# Altium PCB as_x31.PcbDoc (part 8 of 8)
Units mm, origin at the board's own origin, x right, y up, seen from the top; angles counter-clockwise.
Board outline 130 x 100 mm, 6 copper layers (Top Layer, Ground_1, int_1, int_2, Power, Bottom Layer), stack 1.49 mm thick; 424 components, 381 nets, 2569 pads, 1355 vias.
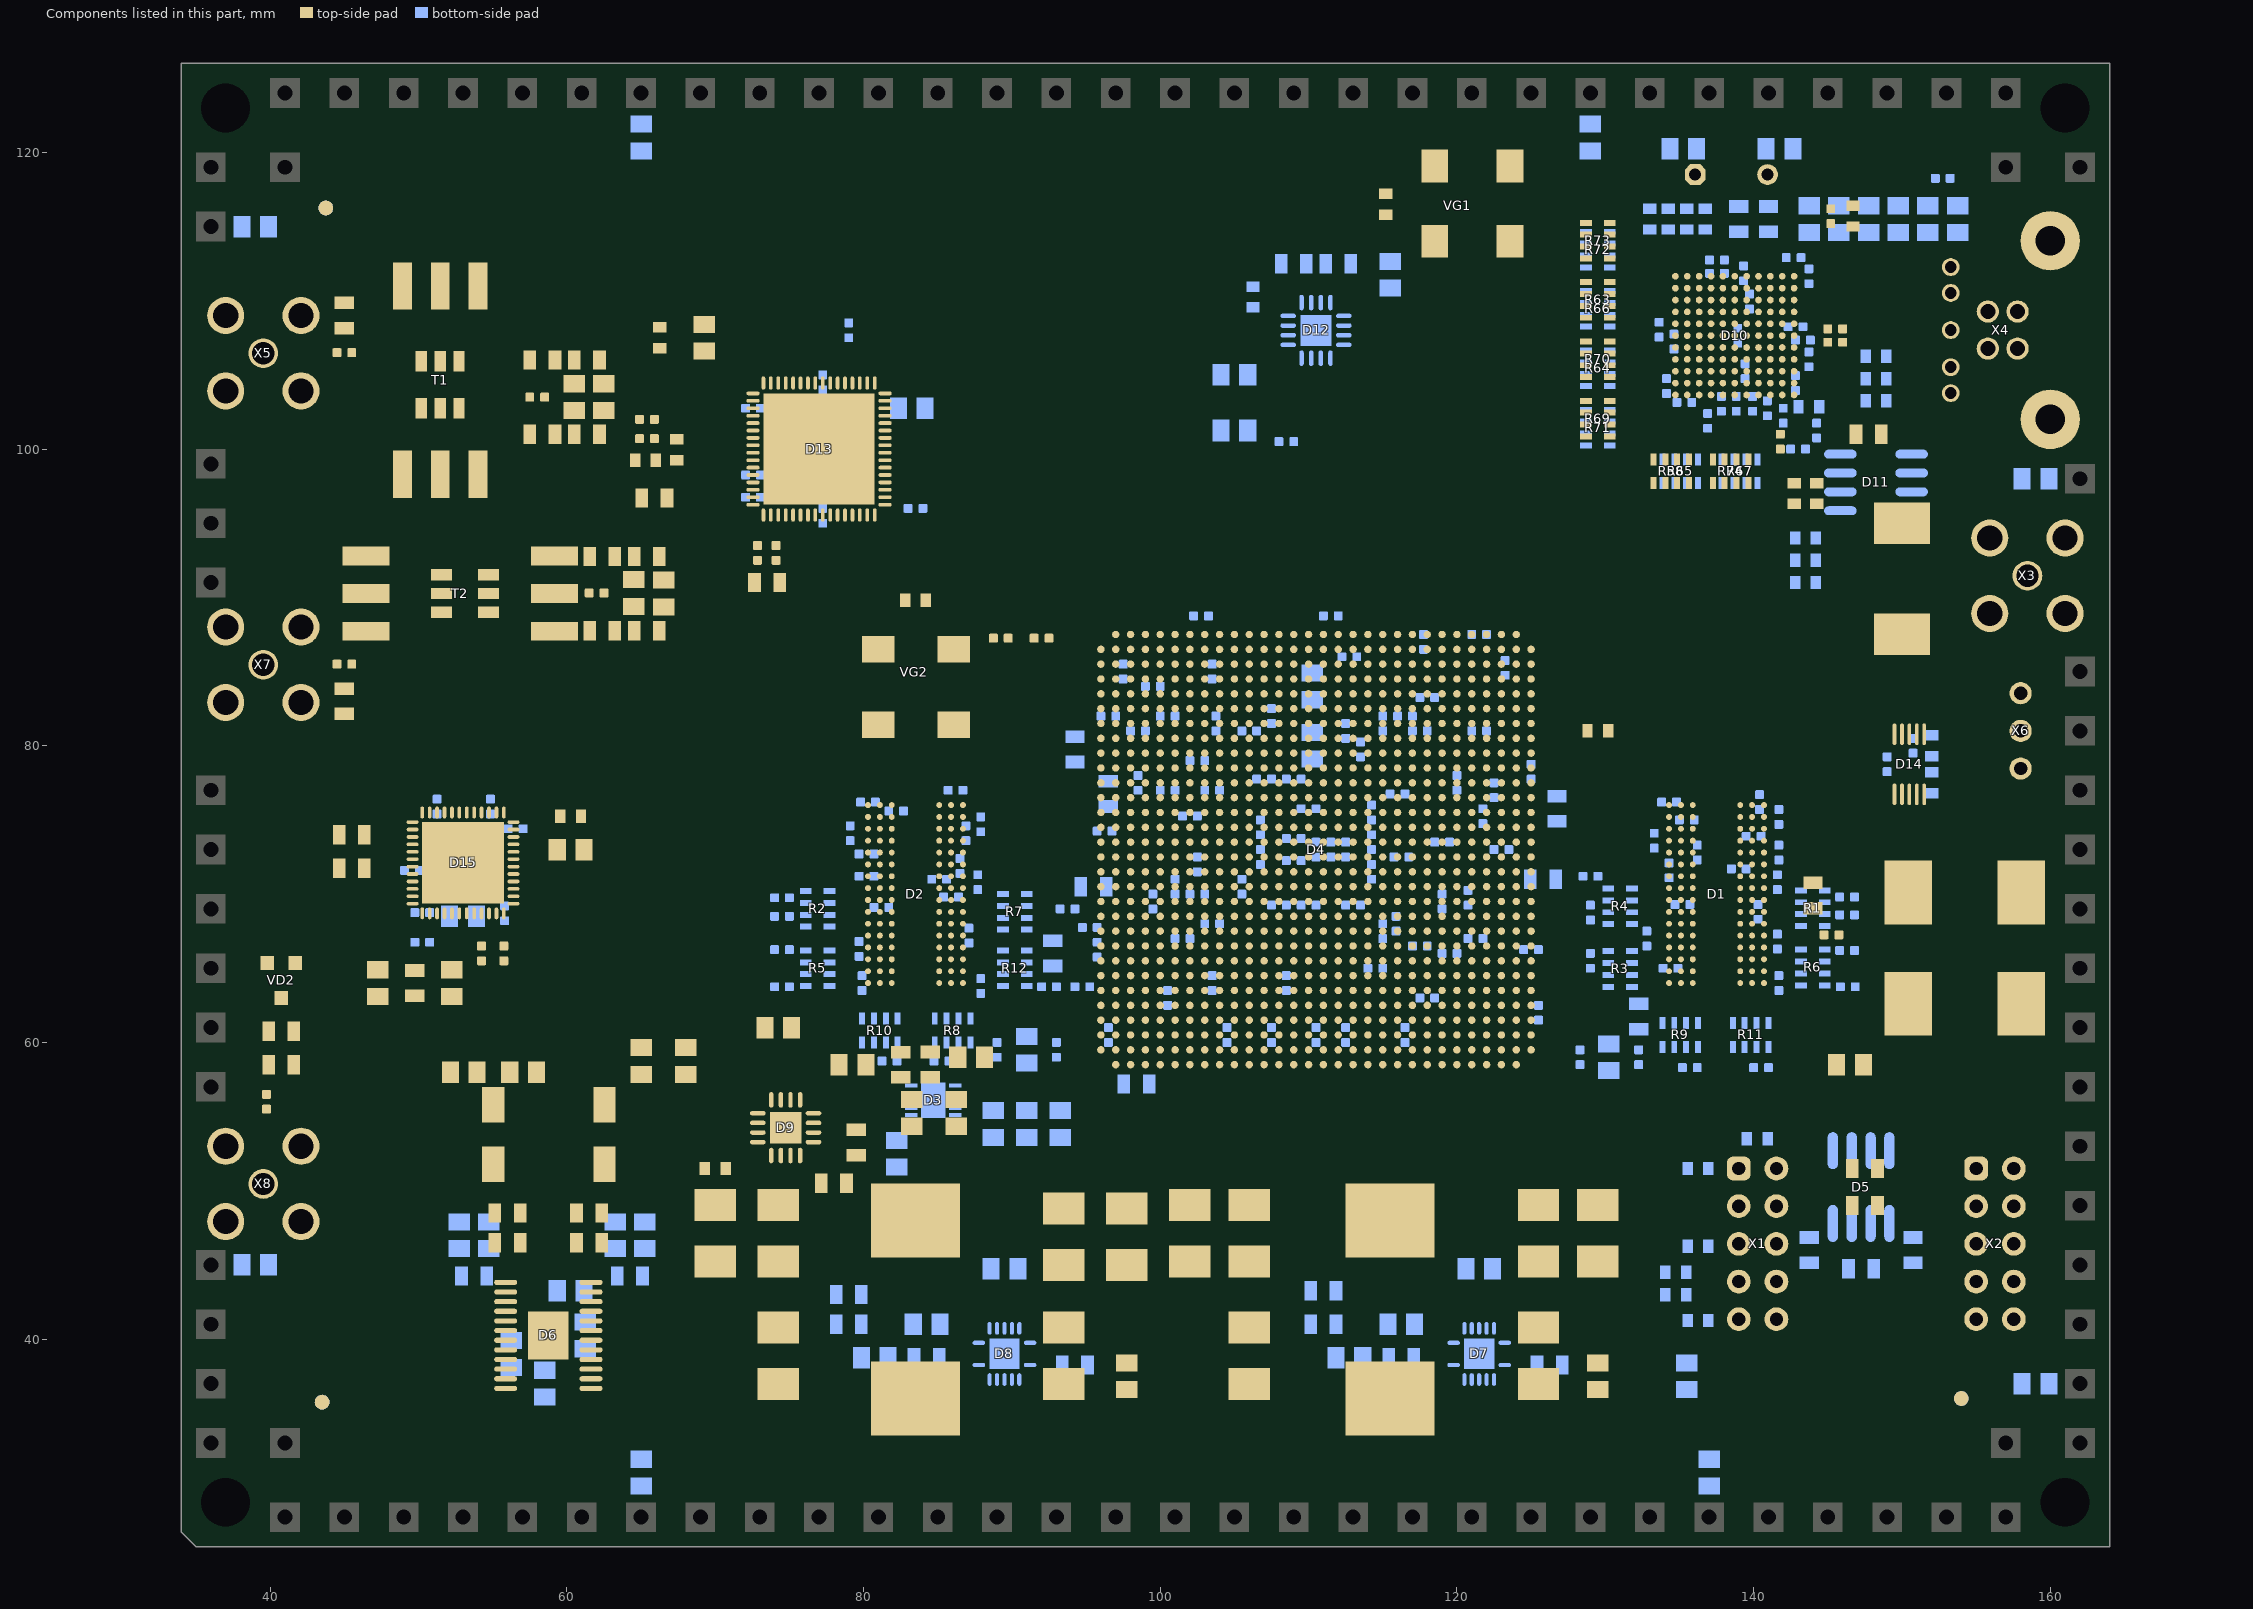
[diagram p12: the components of this part, seen from the top]

## Polygon pours and split planes (outlines as drawn) (continued)
0V on int_1 "in1_0v" (solid, pour order 94): 117.375,44 116,42.75 116,35.25 117.375,34 125.625,34 127,35.25 127,42.75 125.625,44
0V on int_1 "in1_0v" (solid, pour order 82): 82.825,59.75 86.4,59.75 86.675,59.75 87.5,58.942 87.5,53.558 86.675,52.75 82.825,52.75 82,53.558 82,58.942
0VA on Ground_1 (split plane): 60.857,110.857 63.857,107.857 64.357,107.357 64.399,107.325 64.448,107.305 64.5,107.298 69.916,107.298 72.857,104.357 72.899,104.325 72.948,104.305 73,104.298 80.916,104.298 81.298,103.916 81.298,96.084 80.916,95.702 73.084,95.702 72.643,96.143 72.143,96.643 72.101,96.675 72.052,96.695 72,96.702 71,96.702 70.948,96.695 70.899,96.675 70.857,96.643 69.857,95.643 69.825,95.601 69.805,95.552 69.798,95.5 69.798,89.084 68.357,87.643 65.916,85.202 52.5,85.202 52.448,85.195 52.399,85.175 52.381,85.161 52.357,85.143 47.916,80.702 34.352,80.702 34.352,111.298 43.5,111.298 43.552,111.305 43.601,111.325 43.643,111.357 45.584,113.298 58.416,113.298
0VAA on Ground_1 (split plane): 59.998,76.646 59.998,71.854 58.572,70.428 58.532,70.376 58.506,70.315 58.498,70.25 58.498,68.604 56.396,66.502 48.604,66.502 47.752,67.354 47.752,75.896 49.104,77.248 59.396,77.248
0V on Ground_1 (split plane): 163.648,26.352 35.146,26.352 34.352,27.146 34.352,80.298 48,80.298 48.052,80.305 48.101,80.325 48.143,80.357 52.584,84.798 66,84.798 66.052,84.805 66.101,84.825 66.143,84.857 68.643,87.357 70.143,88.857 70.175,88.899 70.183,88.919 70.195,88.948 70.202,89 70.202,95.416 71.084,96.298 71.916,96.298 72.357,95.857 72.857,95.357 72.899,95.325 72.948,95.305 73,95.298 81,95.298 81.052,95.305 81.101,95.325 81.143,95.357 81.643,95.857 81.675,95.899 81.695,95.948 81.702,96 81.702,104 81.695,104.052 81.675,104.101 81.643,104.143 81.143,104.643 81.101,104.675 81.052,104.695 81,104.702 73.084,104.702 70.143,107.643 70.101,107.675 70.052,107.695 70,107.702 64.584,107.702 64.143,108.143 61.143,111.143 58.643,113.643 58.601,113.675 58.552,113.695 58.5,113.702 45.5,113.702 45.448,113.695 45.399,113.675 45.357,113.643 43.416,111.702 34.352,111.702 34.352,125.648 163.648,125.648
V1P2D on Power (split plane): 152.748,117.896 152.748,117.104 144.322,108.678 144.282,108.626 144.256,108.565 144.248,108.5 144.248,104.421 142.425,102.598 133.758,102.598 132.928,103.428 132.876,103.468 132.815,103.494 132.75,103.502 113.354,103.502 112.252,104.604 112.252,110.396 113.354,111.498 131.75,111.498 131.815,111.506 131.876,111.532 131.928,111.572 133.604,113.248 137.5,113.248 137.565,113.256 137.626,113.282 137.678,113.322 143.104,118.748 151.896,118.748
V2P5D on Power (split plane): 123.498,88.646 123.498,84.752 123.435,84.744 123.374,84.718 123.352,84.702 123,84.702 122.948,84.695 122.899,84.675 122.857,84.643 122.825,84.601 122.805,84.552 122.798,84.5 122.798,83.702 122,83.702 121.948,83.695 121.899,83.675 121.857,83.643 121.825,83.601 121.805,83.552 121.798,83.5 121.798,82.584 119.916,80.702 119,80.702 118.948,80.695 118.899,80.675 118.857,80.643 118.825,80.601 118.805,80.552 118.798,80.5 118.798,79.702 118,79.702 117.948,79.695 117.899,79.675 117.857,79.643 117.825,79.601 117.805,79.552 117.798,79.5 117.798,78.702 117,78.702 116.948,78.695 116.899,78.675 116.857,78.643 116.416,78.202 114.655,78.202 114.178,78.678 114.146,78.703 114.126,78.718 114.065,78.744 114.02,78.75 114,78.752 106.004,78.752 102.078,82.678 102.026,82.718 101.965,82.744 101.9,82.752 97.7,82.752 94.604,82.752 93.428,83.928 93.376,83.968 93.315,83.994 93.25,84.002 90.104,84.002 89.002,85.104 89.002,88.646 90.104,89.748 122.396,89.748
V1P5D on Power (split plane): 105.722,78.322 105.774,78.282 105.835,78.256 105.9,78.248 106.744,78.248 106.748,77.399 106.754,77.35 106.748,77.3 106.748,76.5 106.748,67 106.756,66.935 106.782,66.874 106.822,66.822 107.248,66.396 107.248,65.004 106.512,64.269 103.668,64.366 103.639,64.363 103.609,64.361 103.606,64.36 103.603,64.36 103.575,64.349 103.547,64.34 103.544,64.338 103.541,64.337 103.517,64.319 103.492,64.303 98.316,59.702 75.834,59.702 75.677,59.858 75.677,73.621 81.604,79.548 91.8,79.548 91.865,79.556 91.926,79.582 91.978,79.622 94.604,82.248 97.7,82.248 101.796,82.248
V1P5D on Power (split plane): 123.374,84.282 123.435,84.256 123.5,84.248 126.896,84.248 130.572,80.572 130.624,80.532 130.685,80.506 130.75,80.498 138.146,80.498 142.048,76.596 142.048,73.2 142.056,73.135 142.082,73.074 142.122,73.022 145.248,69.896 145.248,59.854 144.621,59.227 126.622,59.227 114.752,69.987 114.752,76.25 114.752,77.798 116.5,77.798 116.552,77.805 116.601,77.825 116.643,77.857 117.084,78.298 118,78.298 118.052,78.305 118.101,78.325 118.143,78.357 118.175,78.399 118.195,78.448 118.202,78.5 118.202,79.298 119,79.298 119.052,79.305 119.101,79.325 119.143,79.357 119.175,79.399 119.195,79.448 119.202,79.5 119.202,80.298 120,80.298 120.052,80.305 120.101,80.325 120.143,80.357 122.143,82.357 122.175,82.399 122.195,82.448 122.202,82.5 122.202,83.298 123,83.298 123.052,83.305 123.101,83.325 123.143,83.357 123.175,83.399 123.195,83.448 123.202,83.5 123.202,84.298 123.352,84.298
V1P1D on Power (split plane): 114.248,77.896 114.248,76.25 114.248,69.875 114.249,69.869 114.248,69.863 114.253,69.836 114.256,69.81 114.259,69.804 114.26,69.798 114.271,69.774 114.282,69.749 114.285,69.744 114.288,69.738 114.305,69.718 114.322,69.697 114.327,69.693 114.331,69.688 126.272,58.864 126.249,56.105 121.396,51.252 103.104,51.252 98.252,56.104 98.252,59.298 98.32,59.298 98.33,59.289 98.389,59.261 98.454,59.248 98.52,59.253 98.582,59.275 98.618,59.299 98.663,59.305 98.712,59.325 98.754,59.357 99.143,59.746 99.175,59.788 99.176,59.791 103.752,63.859 106.605,63.761 106.609,63.762 106.613,63.761 106.642,63.765 106.67,63.768 106.674,63.769 106.678,63.77 106.705,63.781 106.732,63.791 106.735,63.793 106.739,63.795 106.762,63.812 106.785,63.829 106.788,63.832 106.792,63.835 107.678,64.722 107.718,64.774 107.744,64.835 107.752,64.9 107.752,66.5 107.744,66.565 107.718,66.626 107.696,66.656 107.678,66.678 107.252,67.104 107.252,76.5 107.252,77.3 107.246,77.35 107.252,77.401 107.249,78.248 113.896,78.248
V1P8A on Power (split plane): 64.322,107.322 64.374,107.282 64.435,107.256 64.5,107.248 69.896,107.248 72.822,104.322 72.874,104.282 72.935,104.256 73,104.248 80.896,104.248 81.248,103.896 81.248,96.104 80.896,95.752 73.104,95.752 72.178,96.678 72.126,96.718 72.065,96.744 72,96.752 71,96.752 70.935,96.744 70.874,96.718 70.844,96.696 70.822,96.678 69.822,95.678 69.782,95.626 69.756,95.565 69.748,95.5 69.748,89.104 65.896,85.252 52.5,85.252 52.435,85.244 52.374,85.218 52.322,85.178 47.896,80.752 34.301,80.752 34.301,111.248 43.5,111.248 43.565,111.256 43.626,111.282 43.678,111.322 45.604,113.248 58.396,113.248
NetC237_2 on Power (split plane): 59.998,76.646 59.998,71.854 58.572,70.428 58.532,70.376 58.506,70.315 58.498,70.25 58.498,68.604 56.396,66.502 48.604,66.502 47.752,67.354 47.752,75.896 49.104,77.248 59.396,77.248
V3P3D on Power (split plane): 163.699,82.752 157.604,82.752 156.178,84.178 154.252,86.104 154.252,90 154.244,90.065 154.218,90.126 154.196,90.156 154.178,90.178 153.178,91.178 153.126,91.218 153.065,91.244 153,91.252 147.5,91.252 147.435,91.244 147.374,91.218 147.344,91.196 147.322,91.178 146.322,90.178 146.282,90.126 146.256,90.065 146.248,90 146.248,85 146.256,84.935 146.282,84.874 146.322,84.822 149.322,81.822 154.248,76.896 154.248,58.104 150.322,54.178 150.282,54.126 150.256,54.065 150.248,54 150.248,42.104 145.896,37.752 70,37.752 69.935,37.744 69.874,37.718 69.822,37.678 66.822,34.678 66.782,34.626 66.756,34.565 66.748,34.5 66.748,26.301 35.125,26.301 34.301,27.125 34.301,80.248 48,80.248 48.065,80.256 48.126,80.282 48.178,80.322 52.604,84.748 66,84.748 66.065,84.756 66.126,84.782 66.178,84.822 70.178,88.822 70.218,88.874 70.244,88.935 70.252,89 70.252,95.396 71.104,96.248 71.896,96.248 72.822,95.322 72.874,95.282 72.935,95.256 73,95.248 81,95.248 81.065,95.256 81.126,95.282 81.178,95.322 81.678,95.822 81.718,95.874 81.744,95.935 81.752,96 81.752,104 81.744,104.065 81.726,104.108 81.718,104.126 81.701,104.149 81.678,104.178 81.178,104.678 81.126,104.718 81.065,104.744 81,104.752 73.104,104.752 70.178,107.678 70.126,107.718 70.065,107.744 70,107.752 64.604,107.752 58.678,113.678 58.626,113.718 58.565,113.744 58.5,113.752 45.5,113.752 45.435,113.744 45.374,113.718 45.322,113.678 43.396,111.752 34.301,111.752 34.301,125.699 163.699,125.699
12V on Power (split plane): 153.748,89.896 153.748,86 153.756,85.935 153.782,85.874 153.822,85.822 155.822,83.822 157.322,82.322 157.374,82.282 157.435,82.256 157.5,82.248 163.699,82.248 163.699,26.301 67.252,26.301 67.252,34.396 70.104,37.248 146,37.248 146.065,37.256 146.126,37.282 146.178,37.322 150.678,41.822 150.718,41.874 150.744,41.935 150.752,42 150.752,53.896 154.678,57.822 154.718,57.874 154.744,57.935 154.752,58 154.752,77 154.744,77.065 154.718,77.126 154.678,77.178 149.678,82.178 146.752,85.104 146.752,89.896 147.604,90.748 152.896,90.748

## Other copper
Top Layer:
  region net NetC170_2: 82.25,43.25 82.5,43.5 84.75,43.5 85,43.25 85,36.75 82.25,36.75
  region net NetC151_2: 114.25,43.25 114.5,43.5 116.75,43.5 117,43.25 117,36.75 114.25,36.75
  region net V3P3D: 61.75,42 63.5,42 64,41.5 64,40.5 63.5,40 62.5,40 62.25,39.75 61.75,39.75
  region net V3P3D: 55.75,38 53.75,38 53.25,37.5 53.25,37 54,36.25 55.25,36.25 55.75,36.75
Bottom Layer:
  region net NetC170_2: 90,40.5 90,42.5 89,43.5 82.5,43.5 82.25,43.25 82.25,42.75 82.5,42.5 88.75,42.5 89.5,41.75 89.5,40.5
  region net 0V: 90,38.25 90,35.25 90.25,35 91.5,35 91.75,35.25 91.75,36.5 91.5,36.75 90.75,36.75 90.5,37 90.5,38.25
  region net 12V: 89.5,37.5 89.5,35.25 89.25,35 88,35 87.75,35.25 87.75,36.5 88,36.75 88.25,36.75 88.5,37 88.5,37.5
  region net NetC151_2: 122,40.5 122,42.5 121,43.5 114.5,43.5 114.25,43.25 114.25,42.75 114.5,42.5 120.75,42.5 121.5,41.75 121.5,40.5
  region net 12V: 121.5,37.5 121.5,35.25 121.25,35 120,35 119.75,35.25 119.75,36.5 120,36.75 120.25,36.75 120.5,37 120.5,37.5
  region net 0V: 122,38.25 122,35.25 122.25,35 123.5,35 123.75,35.25 123.75,36.5 123.5,36.75 122.75,36.75 122.5,37 122.5,38.25
  region net V1P5D: 83.4,57 82.6,57 82.4,56.8 82.4,55.9 82.6,55.7 83.3,55.7 83.3,55.5 80.5,55.5 80,56 80,56.7 80.5,57.2 83.4,57.2
  region net V1P5D: 86.1,56.5 88.3,56.5 88.5,56.7 88.5,57.1 88.3,57.3 87.5,57.3 87.3,57.1 87.3,56.9 87.1,56.7 86.1,56.7
  region net V3P3D: 53.25,37.5 54,38.25 56.75,38.25 56.75,36.25 54,36.25 53.25,37
  region net V3P3D: 64,41.5 63.5,42 60.75,42 60.75,40.75 61.75,40.75 62.5,40 63.5,40 64,40.5
  region net 0V: 58,41.75 56.5,40.25 56.5,39.5 57.5,38.75 60.5,38.75 60.75,39.25 60.75,39.75 59.75,40.75 59.75,41.5 59.5,41.75
  region net 0VA: 80.25,103.5 80.5,103.25 80.5,96.75 80.25,96.5 73.75,96.5 73.75,96.65 73.5,96.9 73.5,103.25 73.75,103.5
  region net V1P2D: 112.25,108.5 114.25,108.5 114.75,108 114.75,106.75 112,104 111.25,104 110.75,104.5 110.75,106.25 111.75,106.25 112.25,106.75
  region net V1P8USB: 110.25,106.25 110.25,104.5 109.75,104 106,104 105.5,104.5 105.5,105.5 106,106 106.5,106 107,106.5 107,108.975 107.5,109 108.75,109 108.75,106.75 109.25,106.25
Ground_1 (plane layer: these items are gaps in the copper):
  lines w0.4: 34,80.5 48,80.5 52.5,85 66,85 68.5,87.5 70,89 70,95.5 71,96.5 72,96.5 72.5,96 73,95.5 81,95.5 81.5,96 81.5,104 81,104.5 73,104.5 70,107.5 64.5,107.5 64,108 61,111 58.5,113.5 45.5,113.5 43.5,111.5 34,111.5
  lines w0.5: 47.5,67.25 48.5,66.25 56.5,66.25 58.75,68.5 58.75,70.25 60.25,71.75 60.25,76.75 59.5,77.5 49,77.5 47.5,76 47.5,67.25
Power (plane layer: these items are gaps in the copper):
  lines w0.4: 75.425,59.825 75.75,59.5 98.469,59.5 ; 98.611,59.5 99,59.889 ; 123.5,84.5 123,84.5 123,83.5 122,83.5 122,82.5 120,80.5 119,80.5 119,79.5 118,79.5 118,78.5 117,78.5 116.5,78 114.5,78 ; 114.5,78 114.5,78
  lines w0.5: 34,80.5 48,80.5 52.5,85 66,85 70,89 70,95.5 71,96.5 72,96.5 73,95.5 81,95.5 81.5,96 81.5,104 81,104.5 73,104.5 70,107.5 64.5,107.5 58.5,113.5 45.5,113.5 43.5,111.5 34,111.5 ; 67,26 67,34.5 70,37.5 121,37.5 132,37.5 146,37.5 150.5,42 150.5,54 154.5,58 154.5,77 149.5,82 146.5,85 146.5,90 147.5,91 150,91 153,91 154,90 154,86 156,84 157.5,82.5 164,82.5 ; 75.425,59.825 75.425,73.725 81.5,79.8 91.8,79.8 94.5,82.5 ; 98,59.35 98,56 103,51 121.5,51 126.5,56 126.525,58.975 ; 98.469,59.5 103.66,64.114 106.613,64.013 107.5,64.9 107.5,66.5 107,67 107,76.5 107,77.3 ; 106.995,78.5 107,77.4 ; 123.5,84.5 127,84.5 130.75,80.75 138.25,80.75 142.3,76.7 142.3,73.2 145.5,70 145.5,59.75 144.725,58.975 126.525,58.975 ; 123.75,84.5 123.75,88.75 122.5,90 90,90 88.75,88.75 88.75,85 90,83.75 93.25,83.75 94.5,82.5 ; 94.5,82.5 97.7,82.5 101.9,82.5 105.9,78.5 108.091,78.5 109.9,78.5 114,78.5 114.5,78 114.5,76.25 114.5,69.875 126.525,58.975 ; 152,119 152,119 ; 152,119 153,118 153,117 144.5,108.5 144.5,104.317 142.529,102.346 139.029,102.346 133.654,102.346 132.75,103.25 113.25,103.25 112,104.5 112,110.5 113.25,111.75 131.75,111.75 133.5,113.5 137.5,113.5 143,119 152,119 ; 47.5,67.25 47.5,76 49,77.5 59.5,77.5 60.25,76.75 60.25,71.75 58.75,70.25 58.75,68.5 56.5,66.25 48.5,66.25 47.5,67.25

## Silkscreen, mask and mechanical layers (free items; w line width, h text height)
Top Overlay:
  lines w0.2: 79.5,50.5 80.75,51.75 ; 70,41.25 72.5,43.75 ; 70,41.25 70,41.25 ; 72.5,43.75 72.5,43.75
  lines w0.3: 74,115 74,120 100,120 105,120 105,115 74,115
  text "AS14120_x31" at 80,117 h1.8
Bottom Overlay:
  lines w0.2: 92.25,72.75 92.25,68 92.75,67.5 ; 125.5,117.5 130.25,117.5 132.25,115.5 ; 144.25,118 145.75,119.5 146.5,119.5
Mechanical 15:
  lines w0.254: 35,32 40,32 40,27 158,27 158,32 163,32 163,120 158,120 158,125 40,125 40,120 35,120 35,32

## Text inside footprints (layer, text, board x,y; h text height)
C143: Top Overlay "+" at 158.803,73.628 h0.94 r180
C152: Top Overlay "+" at 158.803,66.128 h0.94 r180
X4: Top Overlay "usb_3" at 150.7,99.8 h1.5